# KiCad board ergoducks.kicad_pcb
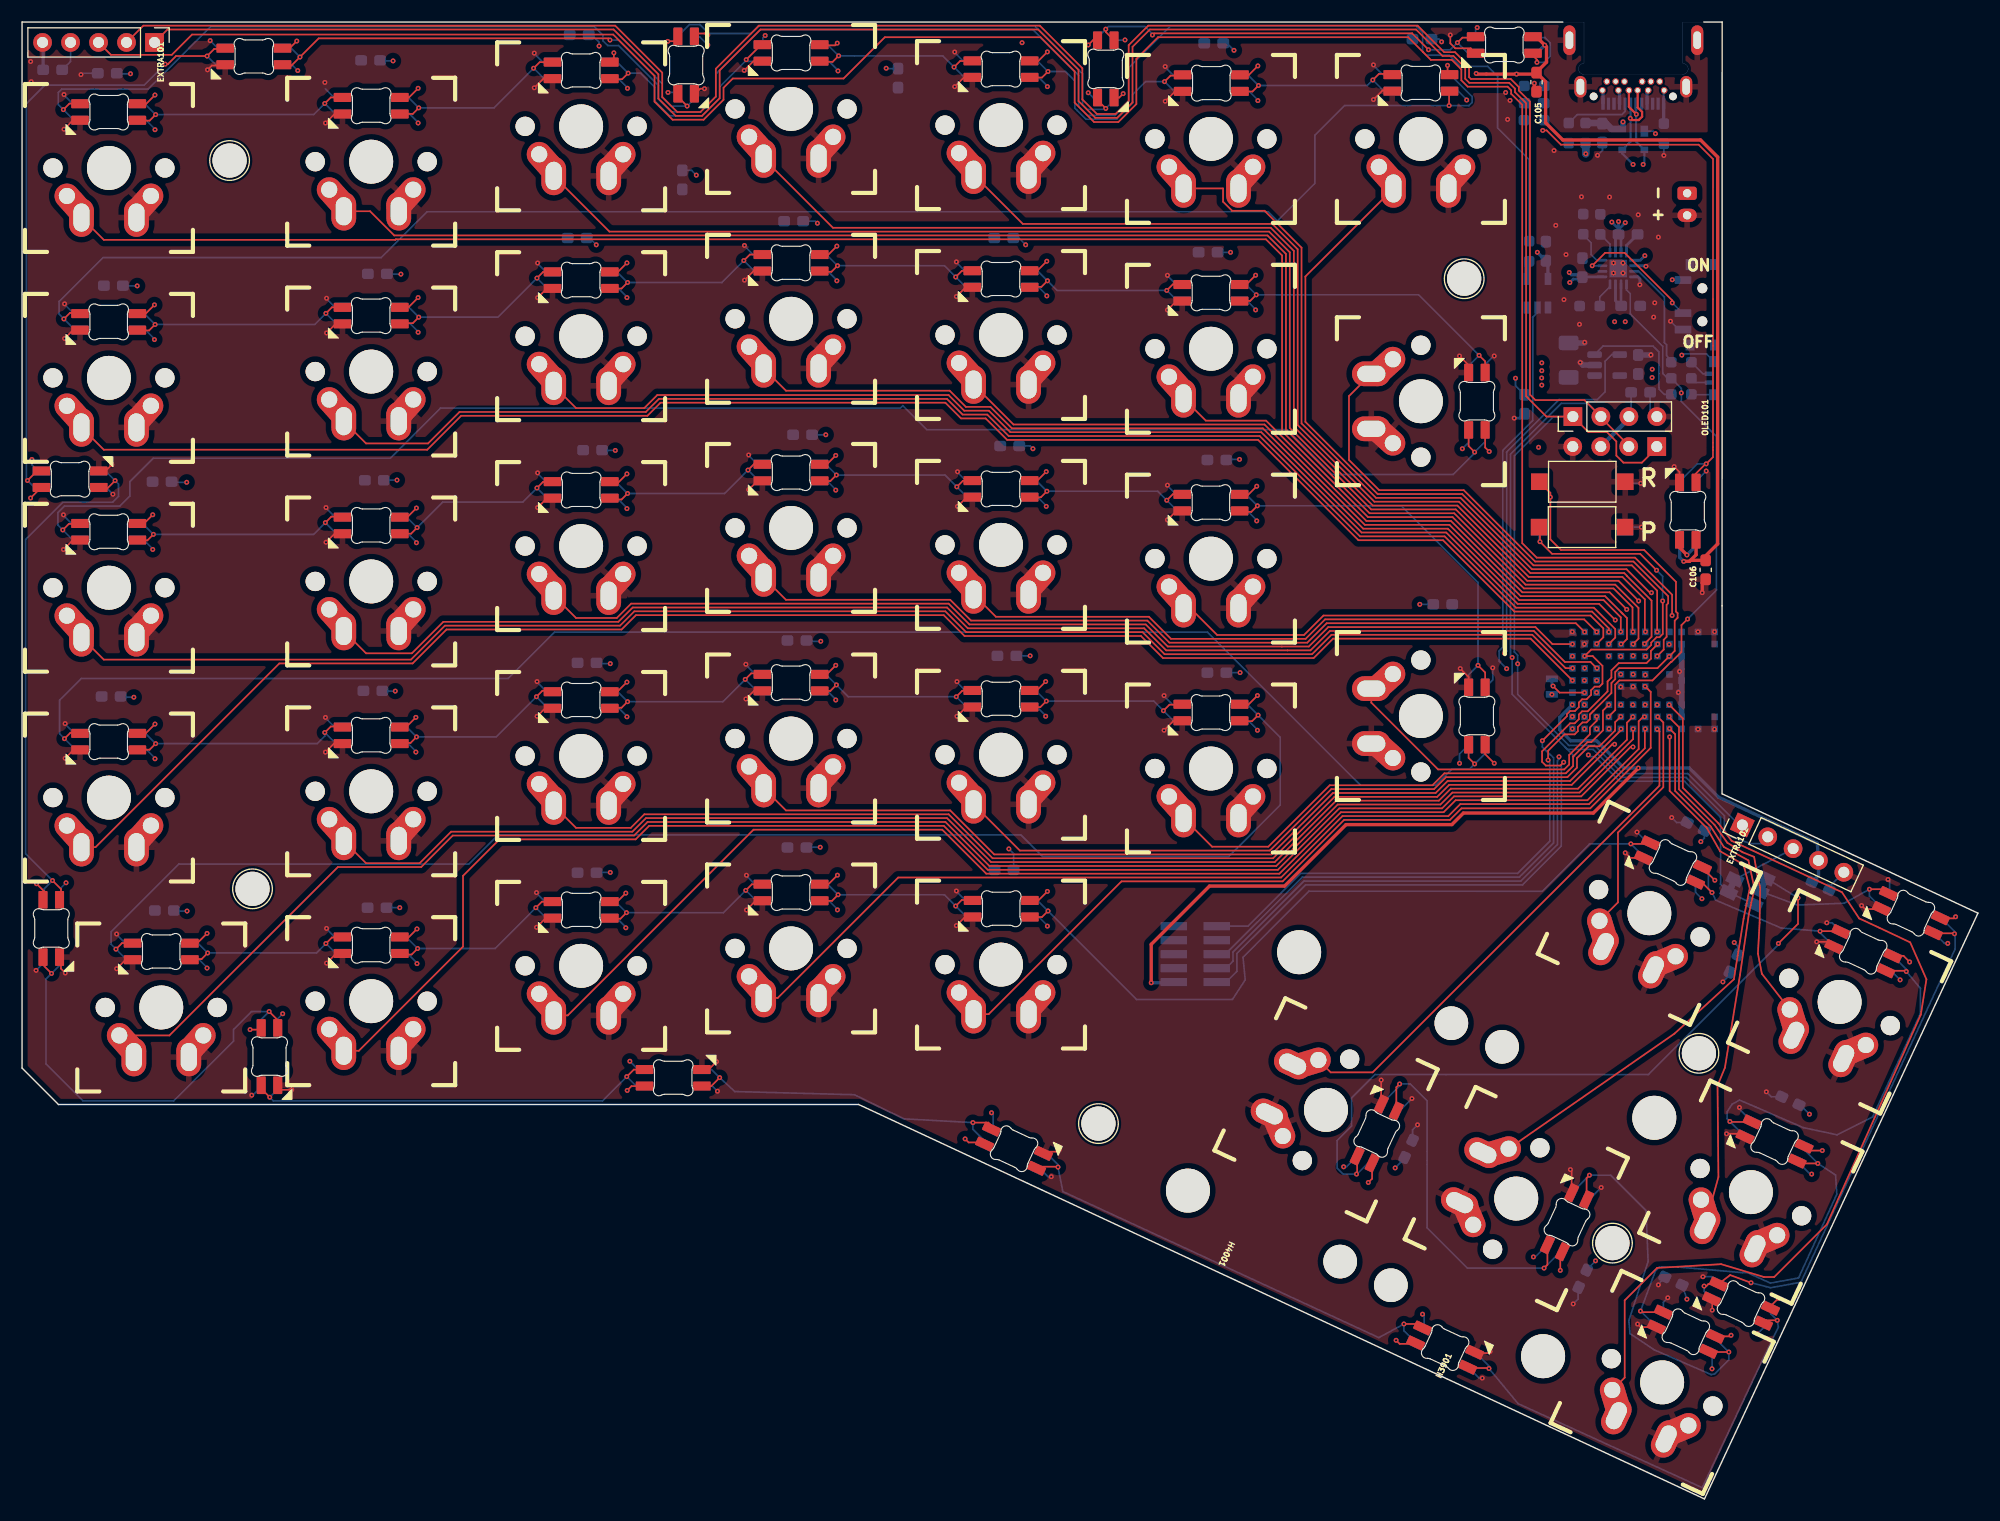
[diagram p0: board, top side]
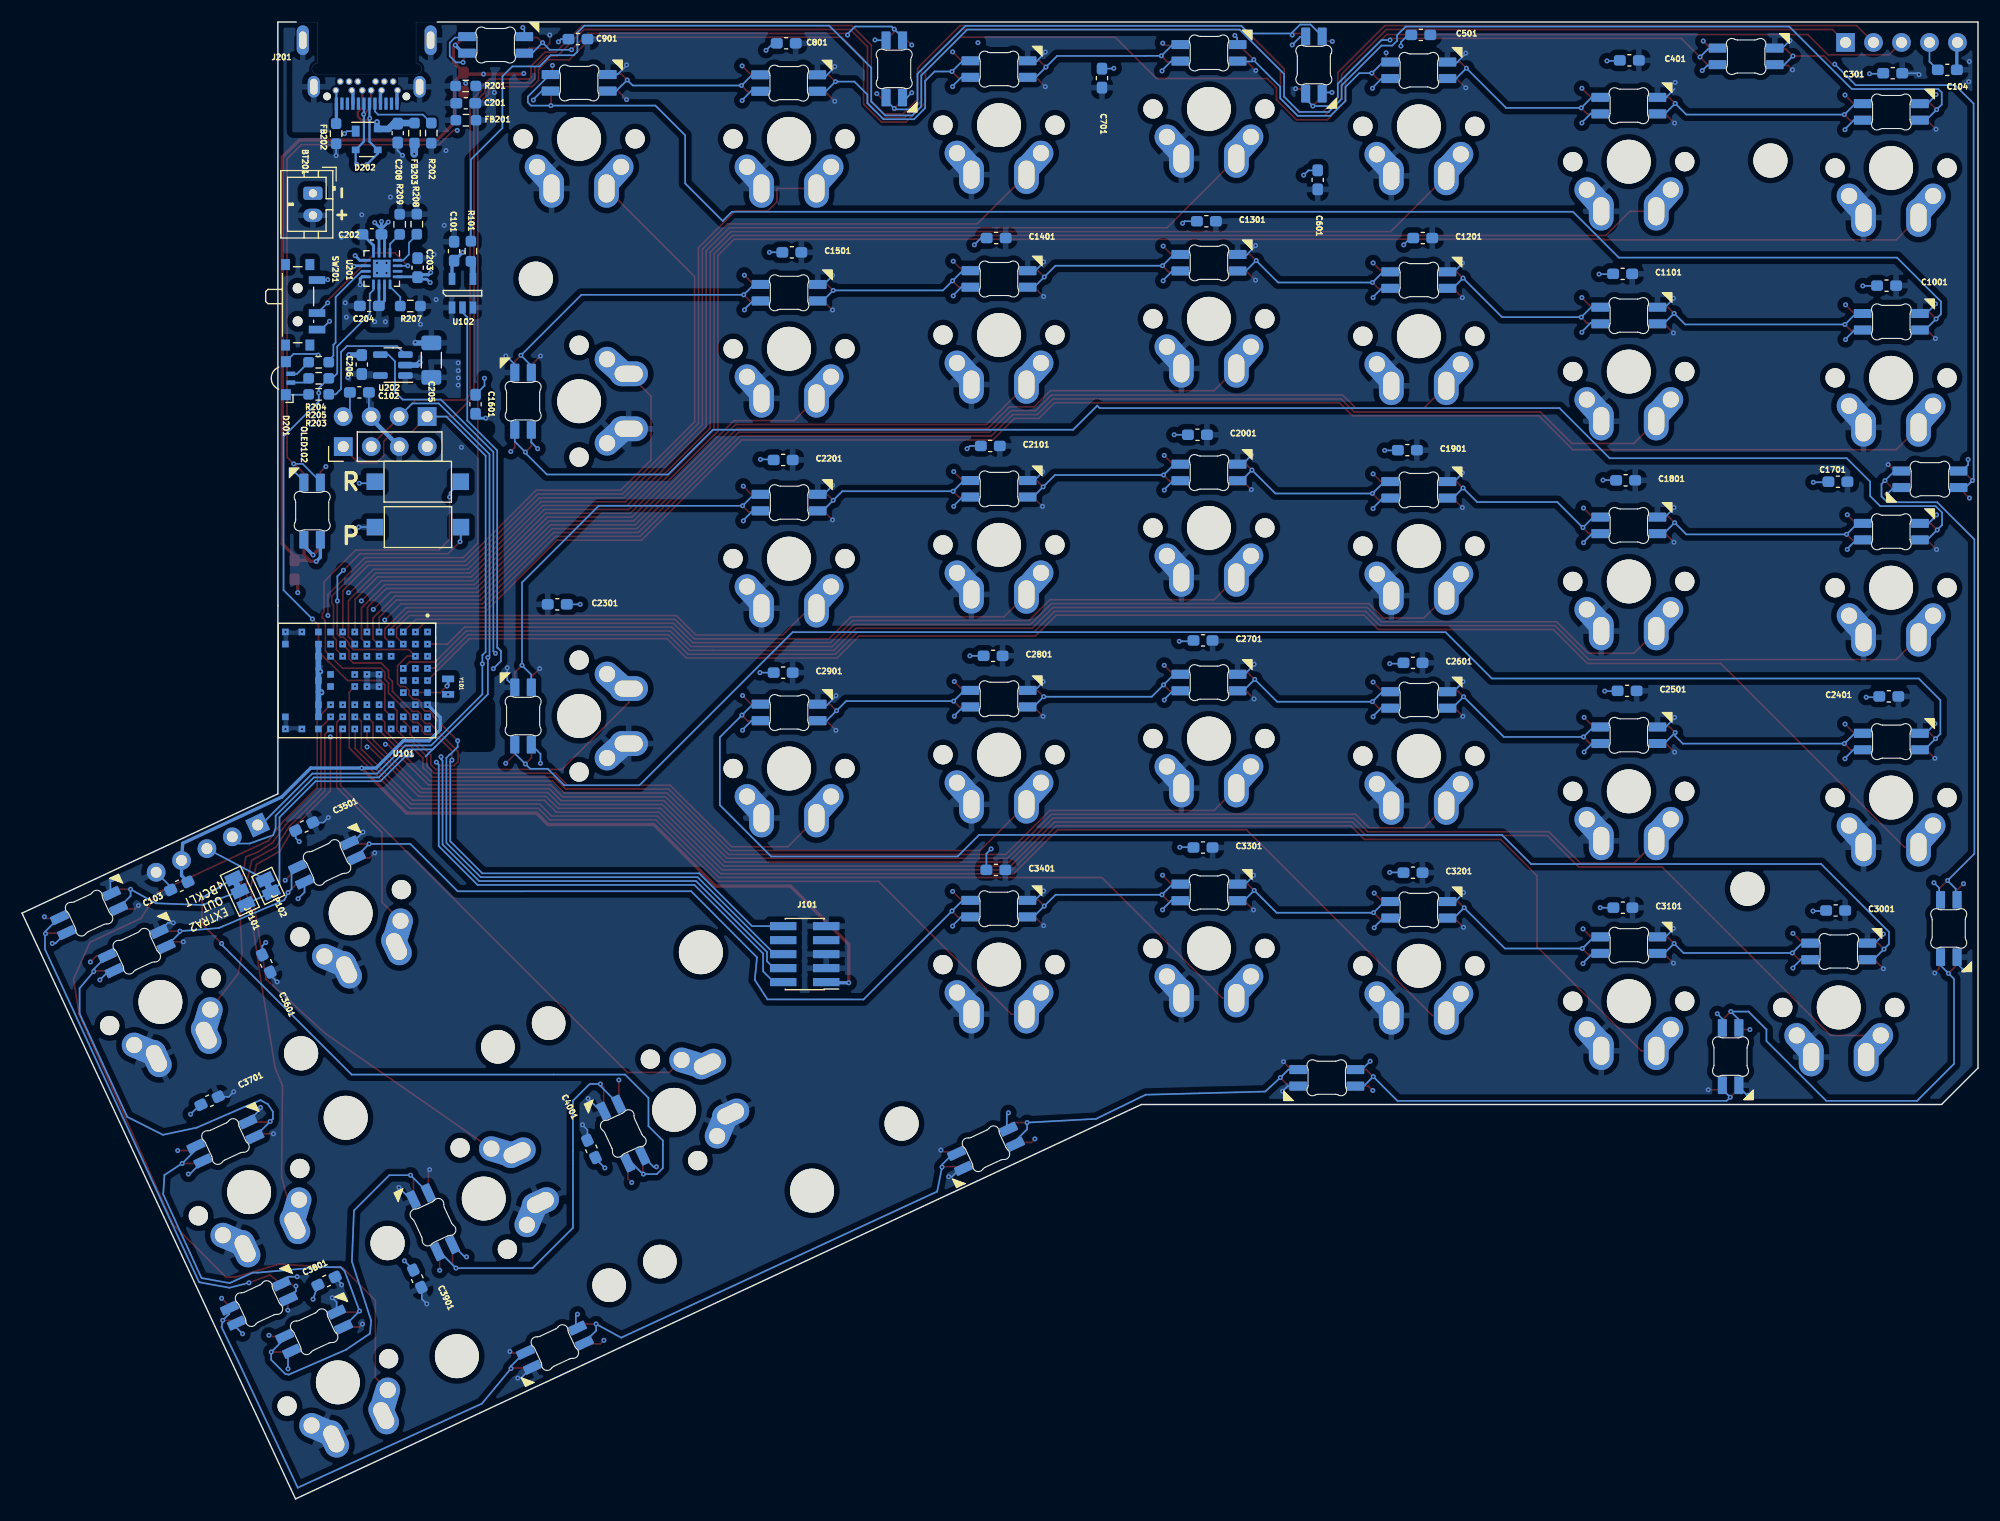
[diagram p1: board, bottom side, seen from below]

Outline 177.48 x 134.06 mm; copper layers: Top, In1.Cu, In2.Cu, Bottom. Coordinates in mm from the lower left corner of the outline.
Outline path: 139.81,134.06 0,134.06 0,39.11 3.3,35.81 75.91,35.81 152.67,0 177.48,53.17 154.26,64 154.26,81.08 154.27,134.06 152.61,134.06
Stack: Top 0.035mm / dielectric 0.48mm FR4 er 4.5 / In1.Cu 0.035mm / dielectric 0.48mm FR4 er 4.5 / In2.Cu 0.035mm / dielectric 0.48mm FR4 er 4.5 / Bottom 0.035mm

## Placement (name value [footprint] x y rotation side)
BT201  Battery Connector  [JST_PH_B2B-PH-K_1x02_P2.00mm_Vertical]  151.09 118.52 270 bottom
C101  100nF  [C_0603_1608Metric_Pad1.08x0.95mm_HandSolder]  138.28 113.26 90 bottom
C102  100nF  [C_0603_1608Metric_Pad1.08x0.95mm_HandSolder]  146.87 100.44 0 bottom
C103  100nF  [C_0603_1608Metric_Pad1.08x0.95mm_HandSolder]  163.21 55.65 335 bottom
C104  100nF  [C_0603_1608Metric_Pad1.08x0.95mm_HandSolder]  2.78 129.72 180 bottom
C105  100nF  [C_0603_1608Metric_Pad1.08x0.95mm_HandSolder]  137.42 128.6 270 top
C106  100nF  [C_0603_1608Metric_Pad1.08x0.95mm_HandSolder]  152.77 84.33 270 top
C201  100nF  [C_0603_1608Metric_Pad1.08x0.95mm_HandSolder]  137.22 126.69 180 bottom
C202  4.7uF  [C_0603_1608Metric_Pad1.08x0.95mm_HandSolder]  145.73 114.78 0 bottom
C203  4.7uF  [C_0603_1608Metric_Pad1.08x0.95mm_HandSolder]  141.59 111.76 90 bottom
C204  4.7uF  [C_0603_1608Metric_Pad1.08x0.95mm_HandSolder]  145.97 108.29 0 bottom
C205  22uF  [C_1206_3216Metric_Pad1.33x1.80mm_HandSolder]  140.34 103.37 90 bottom
C206  4.7uF  [C_0603_1608Metric_Pad1.08x0.95mm_HandSolder]  146.65 102.97 90 bottom
C208  10nF  [C_0603_1608Metric_Pad1.08x0.95mm_HandSolder]  143.39 123.98 270 bottom
C301  100nF  [C_0603_1608Metric_Pad1.08x0.95mm_HandSolder]  7.73 129.41 180 bottom
C401  100nF  [C_0603_1608Metric_Pad1.08x0.95mm_HandSolder]  31.63 130.58 180 bottom
C501  100nF  [C_0603_1608Metric_Pad1.08x0.95mm_HandSolder]  50.56 132.89 180 bottom
C601  100nF  [C_0603_1608Metric_Pad1.08x0.95mm_HandSolder]  59.91 119.73 270 bottom
C701  100nF  [C_0603_1608Metric_Pad1.08x0.95mm_HandSolder]  79.49 128.97 270 bottom
C801  100nF  [C_0603_1608Metric_Pad1.08x0.95mm_HandSolder]  108.14 132.13 180 bottom
C901  100nF  [C_0603_1608Metric_Pad1.08x0.95mm_HandSolder]  127.04 132.51 180 bottom
C1001  100nF  [C_0603_1608Metric_Pad1.08x0.95mm_HandSolder]  8.29 110.13 180 bottom
C1101  100nF  [C_0603_1608Metric_Pad1.08x0.95mm_HandSolder]  32.24 111.2 180 bottom
C1201  100nF  [C_0603_1608Metric_Pad1.08x0.95mm_HandSolder]  50.38 114.45 180 bottom
C1301  100nF  [C_0603_1608Metric_Pad1.08x0.95mm_HandSolder]  70.01 115.98 180 bottom
C1401  100nF  [C_0603_1608Metric_Pad1.08x0.95mm_HandSolder]  89.09 114.45 180 bottom
C1501  100nF  [C_0603_1608Metric_Pad1.08x0.95mm_HandSolder]  107.63 113.16 180 bottom
C1601  100nF  [C_0603_1608Metric_Pad1.08x0.95mm_HandSolder]  136.33 99.36 270 bottom
C1701  100nF  [C_0603_1608Metric_Pad1.08x0.95mm_HandSolder]  12.71 92.33 180 bottom
C1801  100nF  [C_0603_1608Metric_Pad1.08x0.95mm_HandSolder]  31.97 92.46 180 bottom
C1901  100nF  [C_0603_1608Metric_Pad1.08x0.95mm_HandSolder]  51.78 95.2 180 bottom
C2001  100nF  [C_0603_1608Metric_Pad1.08x0.95mm_HandSolder]  70.83 96.6 180 bottom
C2101  100nF  [C_0603_1608Metric_Pad1.08x0.95mm_HandSolder]  89.62 95.58 180 bottom
C2201  100nF  [C_0603_1608Metric_Pad1.08x0.95mm_HandSolder]  108.42 94.31 180 bottom
C2301  100nF  [C_0603_1608Metric_Pad1.08x0.95mm_HandSolder]  128.92 81.2 0 bottom
C2401  100nF  [C_0603_1608Metric_Pad1.08x0.95mm_HandSolder]  8.09 72.85 180 bottom
C2501  100nF  [C_0603_1608Metric_Pad1.08x0.95mm_HandSolder]  31.84 73.36 180 bottom
C2601  100nF  [C_0603_1608Metric_Pad1.08x0.95mm_HandSolder]  51.27 75.9 180 bottom
C2701  100nF  [C_0603_1608Metric_Pad1.08x0.95mm_HandSolder]  70.32 77.93 180 bottom
C2801  100nF  [C_0603_1608Metric_Pad1.08x0.95mm_HandSolder]  89.37 76.53 180 bottom
C2901  100nF  [C_0603_1608Metric_Pad1.08x0.95mm_HandSolder]  108.42 75.01 180 bottom
C3001  100nF  [C_0603_1608Metric_Pad1.08x0.95mm_HandSolder]  12.91 53.42 180 bottom
C3101  100nF  [C_0603_1608Metric_Pad1.08x0.95mm_HandSolder]  32.22 53.67 180 bottom
C3201  100nF  [C_0603_1608Metric_Pad1.08x0.95mm_HandSolder]  51.27 56.85 180 bottom
C3301  100nF  [C_0603_1608Metric_Pad1.08x0.95mm_HandSolder]  70.32 59.13 180 bottom
C3401  100nF  [C_0603_1608Metric_Pad1.08x0.95mm_HandSolder]  89.11 57.1 180 bottom
C3501  100nF  [C_0603_1608Metric_Pad1.08x0.95mm_HandSolder]  151.88 61.04 155 bottom
C3601  100nF  [C_0603_1608Metric_Pad1.08x0.95mm_HandSolder]  155.32 48.61 245 bottom
C3701  100nF  [C_0603_1608Metric_Pad1.08x0.95mm_HandSolder]  160.46 36.14 155 bottom
C3801  100nF  [C_0603_1608Metric_Pad1.08x0.95mm_HandSolder]  149.85 19.79 155 bottom
C3901  100nF  [C_0603_1608Metric_Pad1.08x0.95mm_HandSolder]  141.62 19.99 245 bottom
C4001  100nF  [C_0603_1608Metric_Pad1.08x0.95mm_HandSolder]  125.82 31.78 65 bottom
D101  SK6812MINI-E  [SK6812MINI-E-reversible]  169.26 48.57 335 top
D102  SK6812MINI-E  [SK6812MINI-E-reversible]  153.84 13.13 335 top
D103  SK6812MINI-E  [SK6812MINI-E-reversible]  131.28 18.35 155 top
D104  SK6812MINI-E  [SK6812MINI-E-reversible]  92.16 36.4 155 top
D105  SK6812MINI-E  [SK6812MINI-E-reversible]  59.09 43.31 180 top
D106  SK6812MINI-E  [SK6812MINI-E-reversible]  27.53 40.16 90 top
D107  SK6812MINI-E  [SK6812MINI-E-reversible]  7.73 51.79 90 top
D108  SK6812MINI-E  [SK6812MINI-E-reversible]  4.36 97.64 180 top
D109  SK6812MINI-E  [SK6812MINI-E-reversible]  21.04 125.85 0 top
D110  SK6812MINI-E  [SK6812MINI-E-reversible]  65.34 130.16 90 top
D111  SK6812MINI-E  [SK6812MINI-E-reversible]  103.42 129.81 90 top
D112  SK6812MINI-E  [SK6812MINI-E-reversible]  134.51 126.89 0 top
D113  SK6812MINI-E  [SK6812MINI-E-reversible]  146.07 89.66 270 top
D201  APFA3010  [LED_Kingbright_APFA3010_3x1.5mm_Horizontal]  153.54 101.73 90 bottom
D202  PRTR5V0U2X  [SOT-143]  146.21 123.4 180 bottom
D301  SK6812MINI-E  [SK6812MINI-E-reversible]  7.86 120.81 0 top
D401  SK6812MINI-E  [SK6812MINI-E-reversible]  31.68 121.38 0 top
D501  SK6812MINI-E  [SK6812MINI-E-reversible]  50.74 124.59 0 top
D601  SK6812MINI-E  [SK6812MINI-E-reversible]  69.78 126.17 0 top
D701  SK6812MINI-E  [SK6812MINI-E-reversible]  88.83 124.7 0 top
D801  SK6812MINI-E  [SK6812MINI-E-reversible]  107.92 123.43 0 top
D901  SK6812MINI-E  [SK6812MINI-E-reversible]  126.93 123.45 0 top
D1001  SK6812MINI-E  [SK6812MINI-E-reversible]  7.86 101.76 0 top
D1101  SK6812MINI-E  [SK6812MINI-E-reversible]  31.68 102.33 0 top
D1201  SK6812MINI-E  [SK6812MINI-E-reversible]  50.74 105.55 0 top
D1301  SK6812MINI-E  [SK6812MINI-E-reversible]  69.78 107.12 0 top
D1401  SK6812MINI-E  [SK6812MINI-E-reversible]  88.83 105.65 0 top
D1501  SK6812MINI-E  [SK6812MINI-E-reversible]  107.88 104.4 0 top
D1601  SK6812MINI-E  [SK6812MINI-E-reversible]  126.93 99.64 270 top
D1701  SK6812MINI-E  [SK6812MINI-E-reversible]  7.86 82.71 0 top
D1801  SK6812MINI-E  [SK6812MINI-E-reversible]  31.68 83.28 0 top
D1901  SK6812MINI-E  [SK6812MINI-E-reversible]  50.74 86.51 0 top
D2001  SK6812MINI-E  [SK6812MINI-E-reversible]  69.78 88.09 0 top
D2101  SK6812MINI-E  [SK6812MINI-E-reversible]  88.83 86.6 0 top
D2201  SK6812MINI-E  [SK6812MINI-E-reversible]  107.88 85.35 0 top
D2301  SK6812MINI-E  [SK6812MINI-E-reversible]  126.93 71.06 270 top
D2401  SK6812MINI-E  [SK6812MINI-E-reversible]  7.86 63.66 0 top
D2501  SK6812MINI-E  [SK6812MINI-E-reversible]  31.68 64.23 0 top
D2601  SK6812MINI-E  [SK6812MINI-E-reversible]  50.74 67.44 0 top
D2701  SK6812MINI-E  [SK6812MINI-E-reversible]  69.78 69.02 0 top
D2801  SK6812MINI-E  [SK6812MINI-E-reversible]  88.83 67.55 0 top
D2901  SK6812MINI-E  [SK6812MINI-E-reversible]  107.88 66.3 0 top
D3001  SK6812MINI-E  [SK6812MINI-E-reversible]  12.63 44.61 0 top
D3101  SK6812MINI-E  [SK6812MINI-E-reversible]  31.68 45.18 0 top
D3201  SK6812MINI-E  [SK6812MINI-E-reversible]  50.74 48.39 0 top
D3301  SK6812MINI-E  [SK6812MINI-E-reversible]  69.78 49.97 0 top
D3401  SK6812MINI-E  [SK6812MINI-E-reversible]  88.86 48.49 0 top
D3501  SK6812MINI-E  [SK6812MINI-E-reversible]  147.66 53.17 335 top
D3601  SK6812MINI-E  [SK6812MINI-E-reversible]  164.93 45.11 335 top
D3701  SK6812MINI-E  [SK6812MINI-E-reversible]  156.88 27.84 335 top
D3801  SK6812MINI-E  [SK6812MINI-E-reversible]  148.83 10.57 335 top
D3901  SK6812MINI-E  [SK6812MINI-E-reversible]  135.59 27.27 245 top
D4001  SK6812MINI-E  [SK6812MINI-E-reversible]  118.32 35.32 245 top
EXTRA101  Conn_01x05  [PinHeader_1x05_P2.54mm_Vertical]  12.02 132.21 270 top
EXTRA102  Conn_01x05  [PinHeader_1x05_P2.54mm_Vertical]  156.1 61.18 65 top
FB201  120R/0.55A  [R_0603_1608Metric_Pad0.98x0.95mm_HandSolder]  137.21 125.15 0 bottom
FB202  120R/0.55A  [R_0603_1608Metric_Pad0.98x0.95mm_HandSolder]  148.98 123.93 90 bottom
FB203  120R/0.55A  [R_0603_1608Metric_Pad0.98x0.95mm_HandSolder]  141.87 123.98 270 bottom
H101  MountingHole  [mounting_hole]  97.67 34.07 0 top
H102  MountingHole  [mounting_hole]  144.31 23.22 0 top
H103  MountingHole  [mounting_hole]  20.91 55.38 0 top
H104  MountingHole  [mounting_hole]  130.86 110.76 0 top
H105  MountingHole  [mounting_hole]  18.83 121.49 270 top
H106  MountingHole  [mounting_hole]  152.16 40.45 0 top
H3901  2u Stabilizer  [keyboard_switch_support-2u]  135.59 27.27 65 top
H4001  2u Stabilizer  [keyboard_switch_support-2u]  118.32 35.32 245 top
J101  Conn_ARM_JTAG_SWD_10  [PinHeader_2x05_P1.27mm_Vertical_SMD]  106.46 49.45 0 bottom
J201  USB_C_Receptacle_USB2.0  [JAE_DX07B024XJ1]  146.21 127.32 0 bottom
JP101  SolderJumper_3_Bridged12  [SolderJumper-3_P1.3mm_Bridged12_Pad1.0x1.5mm]  157.71 55.16 245 bottom
JP102  SolderJumper_2_Bridged  [SolderJumper-2_P1.3mm_Bridged_Pad1.0x1.5mm]  155.14 55.64 65 bottom
OLED101  Conn_01x04  [PinHeader_1x04_P2.54mm_Vertical]  140.73 98.25 90 top
OLED102  Conn_01x04  [PinHeader_1x04_P2.54mm_Vertical]  148.33 95.52 90 bottom
R101  300  [R_0603_1608Metric_Pad0.98x0.95mm_HandSolder]  136.75 113.26 90 bottom
R201  10k  [R_0603_1608Metric_Pad0.98x0.95mm_HandSolder]  137.23 128.26 0 bottom
R202  5k1  [R_0603_1608Metric_Pad0.98x0.95mm_HandSolder]  140.35 123.98 90 bottom
R203  1k1  [R_0603_1608Metric_Pad0.98x0.95mm_HandSolder]  150.56 100.26 180 bottom
R204  1k1  [R_0603_1608Metric_Pad0.98x0.95mm_HandSolder]  150.56 103.18 180 bottom
R205  1k1  [R_0603_1608Metric_Pad0.98x0.95mm_HandSolder]  150.56 101.72 180 bottom
R207  1k1  [R_0603_1608Metric_Pad0.98x0.95mm_HandSolder]  142.25 108.28 0 bottom
R208  1k1  [R_0603_1608Metric_Pad0.98x0.95mm_HandSolder]  141.66 115.71 270 bottom
R209  10k  [R_0603_1608Metric_Pad0.98x0.95mm_HandSolder]  143.22 115.7 270 bottom
SW201  SW_SPST  [SW_SPDT_PCM12]  152.14 108.39 270 bottom
SW301  ~  [keyboard_switch_reversible-1.5u]  7.88 120.81 0 top
SW401  SW_Push  [keyboard_switch_reversible-1u]  31.68 121.38 0 top
SW501  SW_Push  [keyboard_switch_reversible-1u]  50.73 124.59 0 top
SW601  SW_Push  [keyboard_switch_reversible-1u]  69.78 126.17 0 top
SW701  SW_Push  [keyboard_switch_reversible-1u]  88.83 124.7 0 top
SW801  SW_Push  [keyboard_switch_reversible-1u]  107.88 123.45 0 top
SW901  SW_Push  [keyboard_switch_reversible-1u]  126.93 123.45 0 top
SW1001  ~  [keyboard_switch_reversible-1.5u]  7.88 101.76 0 top
SW1101  SW_Push  [keyboard_switch_reversible-1u]  31.68 102.33 0 top
SW1201  SW_Push  [keyboard_switch_reversible-1u]  50.73 105.54 0 top
SW1301  SW_Push  [keyboard_switch_reversible-1u]  69.78 107.12 0 top
SW1401  SW_Push  [keyboard_switch_reversible-1u]  88.83 105.65 0 top
SW1501  SW_Push  [keyboard_switch_reversible-1u]  107.88 104.4 0 top
SW1601  ~  [keyboard_switch_reversible-1.5u]  126.93 99.64 270 top
SW1701  ~  [keyboard_switch_reversible-1.5u]  7.88 82.71 0 top
SW1801  SW_Push  [keyboard_switch_reversible-1u]  31.68 83.28 0 top
SW1901  SW_Push  [keyboard_switch_reversible-1u]  50.73 86.49 0 top
SW2001  SW_Push  [keyboard_switch_reversible-1u]  69.78 88.14 0 top
SW2101  SW_Push  [keyboard_switch_reversible-1u]  88.83 86.6 0 top
SW2201  SW_Push  [keyboard_switch_reversible-1u]  107.88 85.35 0 top
SW2301  ~  [keyboard_switch_reversible-1.5u]  126.93 71.06 270 top
SW2401  ~  [keyboard_switch_reversible-1.5u]  7.88 63.66 0 top
SW2501  SW_Push  [keyboard_switch_reversible-1u]  31.68 64.23 0 top
SW2601  SW_Push  [keyboard_switch_reversible-1u]  50.73 67.44 0 top
SW2701  SW_Push  [keyboard_switch_reversible-1u]  69.78 69.02 0 top
SW2801  SW_Push  [keyboard_switch_reversible-1u]  88.83 67.55 0 top
SW2901  SW_Push  [keyboard_switch_reversible-1u]  107.88 66.3 0 top
SW3001  SW_Push  [keyboard_switch_reversible-1u]  12.63 44.61 0 top
SW3101  SW_Push  [keyboard_switch_reversible-1u]  31.68 45.18 0 top
SW3201  SW_Push  [keyboard_switch_reversible-1u]  50.73 48.39 0 top
SW3301  SW_Push  [keyboard_switch_reversible-1u]  69.78 49.97 0 top
SW3401  SW_Push  [keyboard_switch_reversible-1u]  88.83 48.5 0 top
SW3501  SW_Push  [keyboard_switch_reversible-1u]  147.66 53.17 335 top
SW3601  SW_Push  [keyboard_switch_reversible-1u]  164.93 45.11 335 top
SW3701  SW_Push  [keyboard_switch_reversible-1u]  156.88 27.85 335 top
SW3801  SW_Push  [keyboard_switch_reversible-1u]  148.83 10.58 335 top
SW3901  ~  [keyboard_switch_reversible-2u]  135.59 27.27 245 top
SW4001  ~  [keyboard_switch_reversible-2u]  118.32 35.32 245 top
SW_PAIR101  SW_Push  [SW_SPST_CK_RS282G05A3_reversible]  141.56 88.21 180 top
SW_RESET101  SW_Push  [SW_SPST_CK_RS282G05A3_reversible]  141.58 92.33 0 top
U101  NORA-B106-00B  [XCVR_NORA-B106-00B]  146.19 74.29 0 bottom
U102  SN74LV1T125DCKR  [SOT-23-5]  137.52 109.45 180 bottom
U201  BQ24079RGT  [VQFN-16-1EP_3x3mm_P0.5mm_EP1.6x1.6mm]  144.84 111.68 270 bottom
U202  AP22815AWT  [SOT-23-5#2]  143.83 102.92 0 bottom
Y101  ECS-.327-9-12R-TR  [XTAL_ECS-.327-9-12R-TR]  138.82 73.74 270 bottom

## Library data of the parts
BT201 = -: Digikey partno: 455-1704-ND; MANUFACTURER: JST; Product name: B2B-PH-K-S
C101-C106 C201 C301 C401 C501 C601 C701 C801 C901 C1001 C1101 C1201 C1301 C1401 C1501 C1601 C1701 C1801 C1901 C2001 C2101 C2201 C2301 C2401 C2501 C2601 C2701 C2801 C2901 C3001 C3101 C3201 C3301 C3401 C3501 C3601 C3701 C3801 C3901 C4001 = -: Digikey partno: 1276-1033-1-ND; MANUFACTURER: Samsung; Mouser partno: 187-CL10B104JB8NNNC; Product name: CL10B104JB8NNNC
C202-C204 C206 = -: Digikey partno: 1276-1045-1-ND; MANUFACTURER: Samsung; Mouser partno: 187-CL10A475KQ8NNNC; Product name: CL10A475KQ8NNNC
C205 = -: Digikey partno: 1276-1274-1-ND; MANUFACTURER: Samsung; Mouser partno: 187-CL10A226MP8NUNE; Product name: CL10A226MP8NUNE
C208 = -: Digikey partno: 1276-1009-1-ND; MANUFACTURER: Samsung; Mouser partno: 187-CL10B103KB8NNNC; Product name: CL10B103KB8NNNC
D101-D113 D301 D401 D501 D601 D701 D801 D901 D1001 D1101 D1201 D1301 D1401 D1501 D1601 D1701 D1801 D1901 D2001 D2101 D2201 D2301 D2401 D2501 D2601 D2701 D2801 D2901 D3001 D3101 D3201 D3301 D3401 D3501 D3601 D3701 D3801 D3901 D4001 = -: Adafruit partno: 4960; Digikey partno: 1528-4960-ND; MANUFACTURER: DONGGUAN OPSCO OPTOELECTRONICS; Field9: 1
D202 = -: Digikey partno: 1727-3884-1-ND; MANUFACTURER: Nexperia; Mouser partno: 771-PRTR5V0U2X-T/R
FB201-FB203 = -: Digikey partno: 553-2387-1-ND; MANUFACTURER: Pulse Electronics Network; Mouser partno: 673-PE-0603PFB121ST; Product name: PE-0603PFB121ST
H3901 H4001 = -: Digikey partno: 0G990224-ND; MANUFACTURER: Cherry; Mouser partno: 540-G99-0224; Product name: Stabiliser
J101 = -: Digikey partno: 612-FTSH-105-01-L-DV-K-A-CT-ND; MANUFACTURER: Samtec; Mouser partno: 200-FTSH10501LDVKATR; Product name: FTSH-105-01-L-DV-K-A-TR
J201 = -: Digikey partno: 670-2849-1-ND; MANUFACTURER: JAE; Mouser partno: 656-DX07B024XJ1R1300; Product name: DX07B024XJ1R1300
R101 = -: Digikey partno: RMCF0603JT300RCT-ND; MANUFACTURER: Stackpole; Mouser partno: 667-ERJ-H3ED3000V; Product name: RMCF0603JT300R
R201 R209 = -: Digikey partno: RNCP0603FTD10K0CT-ND; MANUFACTURER: Stackpole; Mouser partno: 667-ERJ-H3ED1002V; Product name: RNCP0603FTD10K0
R202 = -: Digikey partno: RMCF0603JT5K10CT-ND; MANUFACTURER: Stackpole; Mouser partno: 603-RC0603JR-075K1L; Product name: RMCF0603JT5K10
R203-R205 R207 R208 = -: Digikey partno: RNCP0603FTD1K10CT-ND; MANUFACTURER: Stackpole; Mouser partno: 667-ERJ-H3EF1101V; Product name: RNCP0603FTD1K10
SW201 = -: Digikey partno: 401-2016-1-ND; MANUFACTURER: C&K; Mouser partno: 611-PCM12SMTR; Product name: PCM12SMTR
SW301 SW401 SW501 SW601 SW701 SW801 SW901 SW1001 SW1101 SW1201 SW1301 SW1401 SW1501 SW1601 SW1701 SW1801 SW1901 SW2001 SW2101 SW2201 SW2301 SW2401 SW2501 SW2601 SW2701 SW2801 SW2901 SW3001 SW3101 SW3201 SW3301 SW3401 SW3501 SW3601 SW3701 SW3801 SW3901 SW4001 = -: Digikey partno: MX1A-G1NA-ND; MANUFACTURER: Cherry; Mouser partno: 540-MX1A-G1NA; Product name: MX1A-G1NA
SW_PAIR101 SW_RESET101 = -: Digikey partno: CKN10384CT-ND; MANUFACTURER: C&K; Mouser partno: 611-RS-282G05A3-SMRT; Product name: RS-282G05A3-SM RT
U101 = -: Digikey partno: 672-NORA-B106-00BCT-ND; MANUFACTURER: u-blox; Mouser partno: 377-NORA-B106-00B
U102 = -: Digikey partno: 296-37173-1-ND; MANUFACTURER: Texas Instruments; Mouser partno: 595-SN74LV1T125DCKR
U201 = -: Digikey partno: 296-BQ24079QWRGTRQ1CT-ND; MANUFACTURER: Texas Instruments; Mouser partno: 595-BQ24079TRGTR; Product name: BQ24079
U202 = -: Digikey partno: AP22815AWT-7DICT-ND; MANUFACTURER: Diodes Incorporated; Mouser partno: 621-AP22815AWT-7; Product name: AP22815AWT-7
Y101 = -: Digikey partno: XC2745CT-ND; MANUFACTURER: ECS INC; Mouser partno: 520-.327-9-12R-T
